# Allegro board MCU-V4.brd (continued)
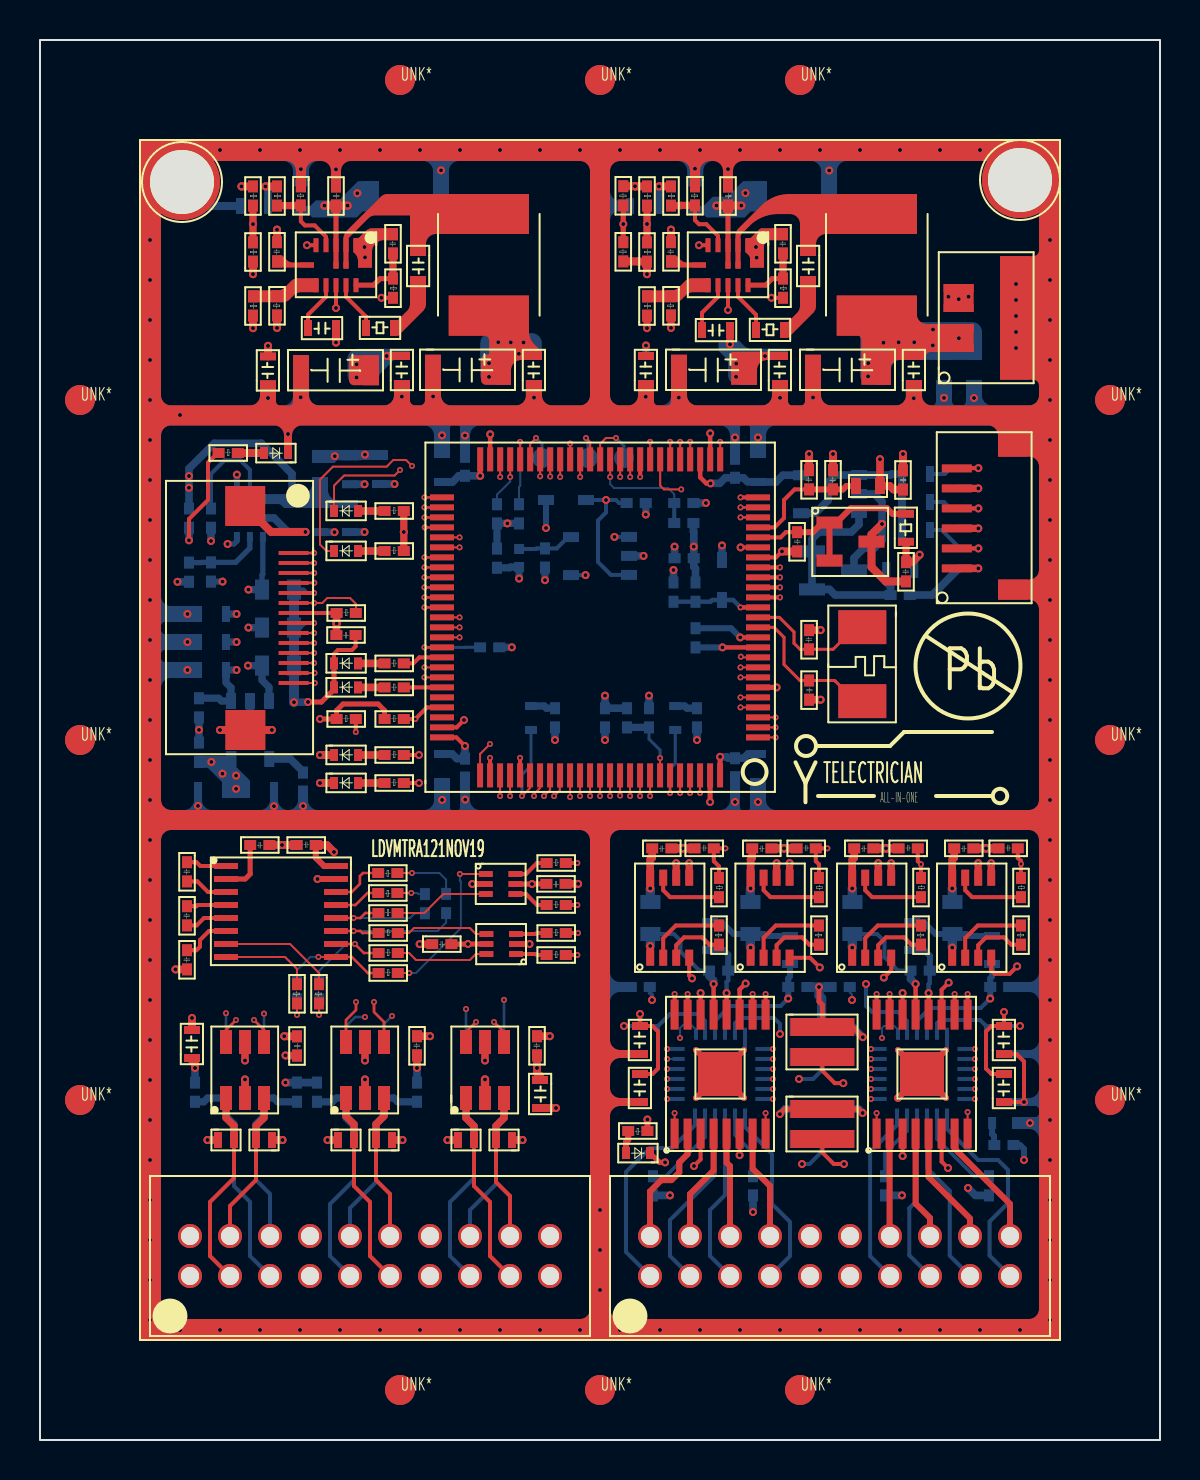
[diagram p0: board, top side]
## Routing (per net, layer and track width the routed paths; a pad name or vN(x,y) marks a point on that pad's centre or on a via; arc(x,y) is an arc through that point) (continued)
  BOTTOM w0.2: U26.20 v1(36.65,19.05)
SMTR1_I1: length 23.2
  TOP w0.1: U4.88 28,32.2 v1(28,32.2)
  SIGNAL-L3 w0.1: v1(36.65,18.55) 36.97,18.55 37.99,19.56 37.99,23.45 36.21,25.23 30.94,25.23 29.03,27.14 29.03,30.35 28,31.37 28,31.87 28,31.87 v1(28,32.2)
  BOTTOM w0.2: U26.21 v1(36.65,18.55)
SMTR1_M0: length 23.1
  TOP w0.1: U4.82 25,32.6 24.7,32.3 v1(24.7,32.2)
  SIGNAL-L3 w0.1: v1(31.35,17.55) 28.03,17.55 26.31,19.27 25.01,19.27 24.16,20.11 24.16,23.87 23.16,24.87 23.16,29.16 24.7,30.69 v1(24.7,32.2)
  BOTTOM w0.2: U26.8 v1(31.35,17.55)
SMTR1_M1: length 20.1
  TOP w0.1: v1(25.2,32.2) 25.5,32.5 U4.83
  SIGNAL-L3 w0.1: v1(25.2,32.2) 25.2,21.36 28.51,18.05 v1(31.35,18.05)
  BOTTOM w0.2: U26.9 v1(31.35,18.05)
SMTR1_NFAULT: length 28.2
  TOP w0.1: v1(24.1,32.2) 24.5,32.6 24.5,33.23 U4.81
  SIGNAL-L3 w0.1: v1(31.35,17.05) 27.32,17.05 26.69,17.69 24.64,17.69 23.65,18.67 23.65,23.57 22.6,24.62 22.6,29.21 24.1,30.72 v1(24.1,32.2)
  BOTTOM w0.15: D18.1 24.55,33.72 24.1,33.27 v1(24.1,32.2)
  BOTTOM w0.2: U26.7 v1(31.35,17.05)
SMTR1_NSLEEP: length 24.9
  TOP w0.1: v1(30,32.2) U4.92
  SIGNAL-L3 w0.1: v1(30,32.2) 30,31.36 30.74,30.62 30.74,28.27 32.73,26.29 37.08,26.29 39.57,23.79 39.57,18.9 38.23,17.55 v1(36.65,17.55)
  BOTTOM w0.2: U26.23 v1(36.65,17.55)
SMTR1_PWM: length 37.8
  TOP w0.2: U4.25 v1(35.02,47.13)
  SIGNAL-L3 w0.1: v1(35.02,47.13) 34.42,47.13 33.46,46.17 33.46,43.54 30.55,40.63 28.99,40.63 26.68,38.32 26.68,33.19 26.1,32.61 26.1,29.54 26.23,29.4 26.23,21.85 28.53,19.55 v1(31.35,19.55)
  BOTTOM w0.2: U26.12 v1(31.35,19.55)
SMTR1_TOFF_SEL: length 19.2
  TOP w0.1: v1(25.7,32.2) 25.99,32.48 25.99,33.22 U4.84
  SIGNAL-L3 w0.1: v1(31.35,18.55) 28.77,18.55 25.7,21.61 v1(25.7,32.2)
  BOTTOM w0.2: U26.10 v1(31.35,18.55)
SMTR2_ADEC: length 29.2
  TOP w0.1: U4.7 v1(35.02,38.13)
  SIGNAL-L7 w0.1: v1(46.75,19.55) 46.75,20.01 45.1,21.66 45.1,22.41 44.7,22.81 44.7,23.23 41.67,26.25 39.88,26.25 38.46,27.67 38.46,29.88 37.73,30.61 35.88,30.61 35.34,31.14 35.34,32.7 34.79,33.26 34,33.26 33.44,33.81 33.44,37.2 34.38,38.13 v1(35.02,38.13)
  BOTTOM w0.2: U25.19 v1(46.75,19.55)
SMTR2_DEC0: length 27.8
  TOP w0.1: U4.1 v1(36.78,35.13)
  SIGNAL-L7 w0.1: v1(36.78,35.13) 37.14,35.13 38.61,33.66 43.32,33.66 46.11,30.87 46.11,28.68 48,26.79 48,23.49 48.94,22.55 48.94,21.44 48.1,20.6 48.1,18.8 47.35,18.05 v1(46.75,18.05)
  BOTTOM w0.2: U25.22 v1(46.75,18.05)
SMTR2_DEC1: length 32.3
  TOP w0.1: U4.3 v1(36.78,36.13)
  SIGNAL-L7 w0.1: v1(36.78,36.13) 37.51,36.13 38.94,34.69 45.52,34.69 48.57,31.65 48.57,28.16 49.37,27.36 49.37,25.09 49.99,24.47 49.99,19.19 47.85,17.05 v1(46.75,17.05)
  BOTTOM w0.2: U25.24 v1(46.75,17.05)
SMTR2_DIR: length 26.9
  TOP w0.1: v1(35.02,38.63) U4.8
  SIGNAL-L7 w0.1: v1(35.02,38.63) 34,38.63 32.17,36.8 32.17,34.09 34.17,32.09 34.17,30.89 36.12,28.94 36.12,28.07 40.6,23.59 40.6,22.7 42.1,21.2 v1(42.1,20.1)
  BOTTOM w0.1: U25.13 42.9,20.51 42.71,20.7 42.2,20.7 42.1,20.6 v1(42.1,20.1)
SMTR2_I0: length 29
  TOP w0.1: U4.5 v1(35.02,37.13)
  SIGNAL-L7 w0.1: v1(46.75,19.05) 47.07,19.05 47.18,19.16 47.18,20.25 46.88,20.55 46.88,25.42 43.46,28.84 43.46,31.03 42.17,32.31 36.85,32.31 34.06,35.11 34.06,36.49 34.7,37.13 v1(35.02,37.13)
  BOTTOM w0.2: U25.20 v1(46.75,19.05)
SMTR2_I1: length 29.6
  TOP w0.1: U4.4 v1(35.02,36.63)
  SIGNAL-L7 w0.1: v1(35.02,36.63) 34.71,36.31 34.71,35.32 36.86,33.17 42.88,33.17 45.2,30.84 45.2,28.75 47.5,26.45 47.5,23.15 48.19,22.47 48.19,22.09 47.6,21.5 47.6,19 47.15,18.55 v1(46.75,18.55)
  BOTTOM w0.2: U25.21 v1(46.75,18.55)
SMTR2_M0: length 24.3
  TOP w0.1: U4.96 v1(32,32.35)
  SIGNAL-L7 w0.1: v1(32,32.35) 32,31.86 30.9,30.76 30.9,28.77 32.41,27.26 32.41,25.69 34.22,23.88 36.99,23.88 39.04,21.83 39.04,17.81 39.64,17.21 40.83,17.21 41.17,17.55 v1(41.55,17.55)
  BOTTOM w0.2: U25.8 v1(41.55,17.55)
SMTR2_M1: length 21.2
  TOP w0.1: U4.97 v1(32.5,32.35)
  SIGNAL-L7 w0.1: v1(32.5,32.35) 32.5,30.83 33.17,30.17 33.17,27.57 34.65,26.09 36.09,26.09 38.21,23.96 38.21,23.45 38.51,23.16 39.4,23.16 39.7,22.85 39.7,19.21 40.86,18.05 v1(41.55,18.05)
  BOTTOM w0.2: U25.9 v1(41.55,18.05)
SMTR2_NFAULT: length 28.5
  TOP w0.1: v1(31.5,32.35) U4.95
  SIGNAL-L7 w0.1: v1(31.5,32.35) 31.5,32.02 30.38,30.9 30.38,28.56 31.72,27.23 31.72,25.27 33.65,23.35 36.88,23.35 38.6,21.62 38.6,17.65 39.43,16.82 41.32,16.82 v1(41.55,17.05)
  BOTTOM w0.1: 31.76,35.55 D17.1
  BOTTOM w0.15: D17.1 31.76,33.82 31.5,33.56 31.5,32.69 31.5,32.68 v1(31.5,32.35)
  BOTTOM w0.2: U25.7 v1(41.55,17.05)
SMTR2_NSLEEP: length 30.3
  TOP w0.1: U4.2 v1(36.78,35.63)
  SIGNAL-L7 w0.1: v1(46.75,17.55) 47.65,17.55 48.65,18.55 48.65,19.48 49.52,20.36 49.52,24.17 48.75,24.94 48.75,26.95 48.06,27.64 48.06,30.77 44.6,34.22 38.77,34.22 37.36,35.63 v1(36.78,35.63)
  BOTTOM w0.2: U25.23 v1(46.75,17.55)
SMTR2_PWM: length 43.5
  TOP w0.1: U4.26 v1(34.01,49.91)
  SIGNAL-L3 w0.1: v1(34.01,49.91) 34.01,49.38 35.89,47.49 35.89,43.82 31.82,39.74 31.82,33.95 32.52,33.25 33.64,33.25 34.12,32.77 34.12,30.76 33.39,30.03 33.39,29.06 33.92,28.53 35.71,28.53 36.69,27.55 38.92,27.55 41.38,25.09 41.38,24.32 40.65,23.59 40.65,22.69 41.18,22.15 41.18,21.38 40.52,20.72 40.52,19.76 40.74,19.55 v1(41.55,19.55)
  BOTTOM w0.2: U25.12 v1(41.55,19.55)
SMTR2_TOFF_SEL: length 20
  TOP w0.1: U4.98 v1(33,32.35)
  SIGNAL-L7 w0.1: v1(41.55,18.55) 41.16,18.55 40.1,19.61 40.1,23.39 39.08,24.41 38.64,24.41 36.35,26.7 34.92,26.7 33.68,27.93 33.68,30.41 33,31.09 v1(33,32.35)
  BOTTOM w0.2: U25.10 v1(41.55,18.55)
STEP1A_DRV1: length 9.4
  BOTTOM w0.2: U26.1 35.25,15.65 36.6,14.3 36.6,11.8 37.5,10.9 37.5,9.2 J5.4
STEP1A_DRV2: length 8.8
  BOTTOM w0.2: J5.3 33.5,9.2 33.5,11.5 34.25,12.25 U26.3
STEP1B_DRV1: length 10.6
  BOTTOM w0.2: J5.1 29.3,9.4 29.3,13.4 30.49,14.59 31.6,14.59 32.75,15.74 U26.6
STEP1B_DRV2: length 9.4
  BOTTOM w0.2: U26.4 33.75,13.25 31.5,11 31.5,9.2 J5.2
STEP2A_DRV1: length 10.7
  BOTTOM w0.2: U25.1 45.35,15.55 46.9,14 47.9,14 48.4,13.5 48.4,11.84 47.48,10.92 47.48,9.22 J5.10
STEP2A_DRV2: length 9
  BOTTOM w0.2: U25.3 44.35,13.59 45.49,12.45 45.49,9.21 J5.9
STEP2B_DRV1: length 9
  BOTTOM w0.2: U25.6 42.85,15.74 41.51,14.4 41.51,9.19 J5.7
STEP2B_DRV2: length 8.7
  BOTTOM w0.2: J5.8 43.47,9.23 43.47,11.59 43.85,11.97 U25.4
SWCLK: length 14.6
  TOP w0.1: 12.68,37.85 v1(13.74,37.85) ; v1(22.5,34.8) 22,34.3 U4.76
  TOP w0.2: R26.1 v1(15.79,35.4)
  SIGNAL-L7 w0.1: v1(22.5,34.8) 21.9,35.4 v1(15.79,35.4) 15.46,35.4 15.3,35.56 15.3,37.5 14.95,37.85 v1(13.74,37.85)
SWDIO: length 9.8
  TOP w0.1: 12.68,38.35 v1(13.73,38.35)
  TOP w0.2: U4.72 19.35,36.63 v1(18.77,36.05) R27.1
  SIGNAL-L7 w0.1: v1(18.77,36.05) 18.77,37.03 17.45,38.35 v1(13.73,38.35)
TXD1: length 27.6
  TOP w0.1: R31.2 v1(18.6,28.35)
  SIGNAL-L3 w0.127: v1(18.6,28.35) 18.94,28.35 20.78,26.51 20.78,17.78 19.53,16.53 19.53,13.53 17.9,11.9 14.41,11.9 13.5,10.99 J4.17
  BOTTOM w0.1: v1(18.6,28.35) 19.97,28.35 20.31,28.01 R71.1
TXD2: length 18.5
  TOP w0.1: R49.2 v1(13.95,21.25)
  SIGNAL-L3 w0.127: J4.1 8.46,9.16 8.46,11.7 10.03,13.28 12.44,13.28 13.7,14.54 13.7,21 v1(13.95,21.25)
  BOTTOM w0.1: R75.1 13.96,21.27 v1(13.95,21.25)
VMTR: length 41
  TOP w0.22: U15.12 v2(34.33,22.35) ; U16.12 v2(44.43,22.35)
  TOP w0.3: R52.2 v2(30.37,16.03)
  PWR-L6 w0.38: v2(34.33,22.35) 34.33,22.86 34.6,23.14 34.6,23.29 34.98,23.67 37.01,23.67 37.78,24.43 39.52,24.43 40.11,23.84 44.32,23.84 44.7,23.47 44.7,22.61 v2(44.43,22.35)
  PWR-L6 w0.5: 33.9,15.27 31.13,15.27 v2(30.37,16.03) ; 33.9,15.27 33.9,21.07 34.33,21.5 v2(34.33,22.35) ; 33.9,15.27 35.8,15.27 36.61,14.47 36.61,12.93 37.61,11.92 37.61,11.09 J5.16
  BOTTOM w0.22: C111.1 44.49,22.84 44.43,22.78 v2(44.43,22.35) ; C112.1 34.41,22.98 34.33,22.9 v2(34.33,22.35)
  BOTTOM w0.3: C111.1 44.49,23.9 44.5,23.91 44.5,24.2 44.2,24.5 C107.1 ; C112.1 34.41,24.27 34.18,24.5 C108.1
VREF_2V5: length 10
  TOP w0.2: U4.21 37.03,45.13 37.29,45.39 C24.2
  TOP w0.3: U3.1 39.12,45.87 38.64,45.39 C24.2 ; U3.1 U3.2 ; U3.1 39.82,45.87 40.55,46.59 42.34,46.59 42.62,46.31 R21.2
VSMTR: length 45.1
  PWR-L6 w0.5: 46.74,15.3 48.02,16.58 48.02,19.82 47,20.84 47,21.56 v2(47.51,22.07) ; 46.74,15.3 42.01,15.3 41.59,14.88 ; 46.74,15.3 48.04,14 v2(49.2,14) ; 41.59,14.88 41.59,12.28 40.5,11.19 J5.15 ; 41.59,14.88 40.56,14.88 38.93,16.51 38.93,20.55 v2(37.41,22.07)
  BOTTOM w0.2: U26.15 33.75,20.95 34.5,21.7 37.04,21.7 v2(37.41,22.07) ; U25.15 43.85,20.95 44.5,21.6 47.04,21.6 v2(47.51,22.07)
  BOTTOM w0.3: v2(49.2,14) 49.2,14.55 49,14.75 R83.2 ; C110.1 37.5,23.17 37.41,23.08 C114.1 v2(37.41,22.07) ; C109.1 47.6,23.17 47.51,23.08 C113.1 v2(47.51,22.07)
N01539: length 14.3
  TOP w0.2: C44.2 30.63,20.7 30.9,20.43 30.9,18.57 30.63,18.3 C50.2
  TOP w0.22: U15.14 v2(33.03,22.35) ; v2(35.28,22.83) 34.98,22.52 U15.11 ; C44.2 v2(30,21.3)
  SIGNAL-L4 w0.2: v2(35.28,22.83) 34.98,22.52 34.98,21.86 34.67,21.55 33.04,21.55 ; v2(30,21.3) 32.78,21.3 33.04,21.55 ; 33.04,21.55 33.03,21.56 v2(33.03,22.35)
N02684: length 21.5
  TOP w0.2: U15.3 33.03,14.03 v2(32.7,13.7) ; U8.4 38.5,24.11 v2(38.99,23.63)
  SIGNAL-L8 w0.2: v2(32.7,13.7) 33.2,13.2 36.3,13.2 37.95,14.85 v2(37.95,18.05) 37.91,18.09 37.91,18.67 39.78,20.55 39.78,22.84 v2(38.99,23.63)
  BOTTOM w0.2: R77.2 39.08,18.47 38.66,18.05 v2(37.95,18.05)
N02906: length 28.5
  TOP w0.2: v2(32.6,23.08) 32.46,23.22 U7.4 ; U15.6 v2(34.98,14.24)
  SIGNAL-L3 w0.2: v2(34.98,14.24) 35.42,13.8 v2(38.1,13.8)
  SIGNAL-L7 w0.2: v2(34.98,14.24) 33.63,12.89 28.7,12.89 27.75,13.84 27.75,21.2 29.02,22.47 29.98,22.47 30.59,23.08 v2(32.6,23.08)
  BOTTOM w0.2: v2(38.1,13.8) 38.48,13.8 39.08,14.4 R82.2
N04940: length 1.3
  TOP w0.38: D2.2 R20.2
N07800: length 4
  TOP w0.2: U7.2 31.16,25.09 31.79,25.72 R41.1
N07815: length 3.1
  TOP w0.2: U7.3 31.81,24.74 32.2,25.13 33.1,25.13 33.47,24.76 R41.2
N08892: length 4
  TOP w0.2: R42.1 36.79,25.72 36.18,25.11 U8.2
N08904: length 3.1
  TOP w0.2: R42.2 38.47,24.76 38.1,25.13 37.22,25.13 36.83,24.74 U8.3
N10404: length 3.5
  TOP w0.2: U8.7 36.18,27.49 36.52,27.14 R33.1
N11136: length 3.6
  TOP w0.2: R32.1 31.5,27.14 31.16,27.49 U7.7
N27735: length 16
  TOP w0.2: v2(45.43,22.87) 45.08,22.51 U16.11 ; v2(48.2,21.4) C45.2 47.57,20.7 47.3,20.43 47.3,18.57 47.57,18.3 C51.2 ; v2(43.13,22.35) U16.14
  SIGNAL-L3 w0.2: 46.12,23.55 47.35,23.55 48.2,22.7 v2(48.2,21.4) ; 46.12,23.55 v2(45.43,22.87) ; 46.12,23.55 43.55,23.55 43.13,23.13 v2(43.13,22.35)
N27979: length 23.1
  TOP w0.2: v2(48.85,23.68) 48.48,23.31 47.74,23.31 47.56,23.49 U10.4 ; U16.3 v2(43.13,14.2) ; v2(40.2,13.8) 39.69,13.8 39.12,14.37 R51.2
  SIGNAL-L3 w0.2: v2(40.2,13.8) 42.73,13.8 v2(43.13,14.2)
  SIGNAL-L4 w0.2: v2(43.13,14.2) 46.88,14.2 48.07,15.38 48.07,17.62 49.66,19.21 49.66,22.88 v2(48.85,23.68)
N28117: length 22.6
  TOP w0.2: v2(42.19,23.12) 42.56,23.49 U9.4 ; v2(45.4,13.6) 45.08,13.92 U16.6 ; v2(40.17,17.84) 39.74,17.84 39.12,18.46 R50.2
  SIGNAL-L4 w0.2: v2(40.17,17.84) 40.2,17.87 40.2,18.45 39.4,19.25 39.4,22.67 40.24,23.51 41.8,23.51 v2(42.19,23.12)
  SIGNAL-L8 w0.2: v2(40.17,17.84) 40.17,14.73 41.7,13.2 45,13.2 v2(45.4,13.6)
N28299: length 4
  TOP w0.2: U9.2 41.26,25.09 41.89,25.72 R43.1
N28303: length 3.1
  TOP w0.2: U9.3 41.91,24.74 42.3,25.13 43.2,25.13 43.57,24.76 R43.2
N28307: length 4
  TOP w0.2: U10.2 46.26,25.09 46.89,25.72 R44.1
N28311: length 3.1
  TOP w0.2: U10.3 46.91,24.74 47.3,25.13 48.2,25.13 48.57,24.76 R44.2
N28637: length 1.3
  TOP w0.38: R22.2 D3.2
N28731: length 3.6
  TOP w0.2: U9.7 41.26,27.49 41.6,27.14 R34.1
N28759: length 3.6
  TOP w0.2: U10.7 46.26,27.49 46.6,27.14 R35.1
N30927: length 3.5
  BOTTOM w0.18: R86.1 35.65,14.35 34.75,15.25 U26.2
N30933: length 4.5
  BOTTOM w0.18: R87.1 31.29,13.19 33.25,15.15 U26.5
N33222: length 20.1
  SIGNAL-L8 w0.2: v2(29.2,20.7) 29.5,20.4 31.05,20.4 31.59,20.94 33.34,20.94 33.98,20.3 v2(37,20.3)
  BOTTOM w0.2: 30.9,20.7 31.5,21.3 32.9,21.3 33.25,20.95 U26.14 ; 30.9,20.7 30.9,18.57 30.63,18.3 C122.1 ; 30.9,20.7 C116.1 v2(29.2,20.7) ; v2(37,20.3) 37,20.8 36.7,21.1 35.01,21.1 34.75,20.84 U26.17
N38076: length 8.2
  SIGNAL-L4 w0.1: v1(31.35,19.05) 29.21,19.05 28.6,19.66 28.6,21.22 29.38,22 v2(30.6,22)
  BOTTOM w0.1: v1(31.35,19.05) U26.11
  BOTTOM w0.2: R74.1 30.49,22.37 30.6,22.26 v2(30.6,22)
N39890: length 1.2
  BOTTOM w0.36: D18.2 25.21,36.7 25.32,36.59 R70.1
N41862: length 21.8
  SIGNAL-L4 w0.2: v2(41.3,22.8) 41.3,22.37 41.17,22.25 41.17,21.54 41.68,21.03 45.73,21.03 46.36,20.4 48.7,20.4 v2(49,20.7)
  BOTTOM w0.2: v2(41.3,22.8) 41.3,21.7 41.6,21.4 42.9,21.4 43.35,20.95 U25.14 ; C121.1 47.57,18.3 47.3,18.57 47.3,20.7 ; v2(49,20.7) C115.1 47.3,20.7 ; 47.3,20.7 47,21 45.01,21 44.85,20.84 U25.17
N42130: length 4.6
  BOTTOM w0.18: U25.2 44.85,15.05 46.7,13.2 47.01,13.2 47.02,13.19 R84.1
N42224: length 3.5
  BOTTOM w0.18: R85.1 42.25,14.35 43.35,15.45 U25.5
N42300: length 5
  SIGNAL-L4 w0.1: v1(41.55,19.05) 41.05,19.05 40.33,19.77 40.33,21.73 v2(40.6,22)
  BOTTOM w0.1: v2(40.6,22) 40.6,22.27 40.49,22.38 R73.1
  BOTTOM w0.2: U25.11 v1(41.55,19.05)
N42416: length 1.1
  BOTTOM w0.36: R67.1 32.35,36.59 32.24,36.7 D17.2
N50111: length 23.5
  TOP w0.26: R9.1 v2(29.16,60.8) R4.2
  SIGNAL-L3 w0.2: v2(29.16,60.8) 27.94,59.58 27.94,47.81 28.3,47.45 v2(28.3,47)
  BOTTOM w0.2: D15.1 v2(28.3,47) ; v2(28.3,47) 28.3,46.38 27.9,45.98 27.9,43.9 28.55,43.25 U19.3 ; v2(28.3,47) 28.8,47 28.95,46.85 C76.2
N52095: length 2.8
  BOTTOM w0.2: U19.5 26.4,45.14 25.84,44.58 C80.1 24.82,44.58 24.79,44.55 L5.1
N57048: length 11.1
  BOTTOM w0.38: U17.3 40.95,45.78 40.57,45.4 38.95,45.4 38.6,45.05 U20.2 U20.1 39.48,42.53 39.76,42.25 C85.2 42.53,42.67 42.31,42.89 R62.2
N57288: length 9.2
  BOTTOM w0.38: R61.1 R54.1 R53.1 42.58,48.3 42.53,48.25 U17.1 39.78,48.25 39.4,47.87 39.4,46.97 38.77,46.34 U17.4
N4905822: length 2
  BOTTOM w0.38: U21.4 12.52,34.05 13.15,33.42 C99.2
N7119824: length 2
  TOP w0.2: U6.1 8.02,28.7 7.83,28.89 C39.1
N7119928: length 2
  TOP w0.2: C41.1 7.83,26.69 7.89,26.75 U6.4
N7119940: length 2.8
  TOP w0.25: C29.1 10.51,28.3 10.26,28.05 U6.2
N7119964: length 2.2
  TOP w0.2: C39.2 7.87,27.93 8.4,27.4 U6.3
N7119992: length 2.5
  TOP w0.2: U6.6 8.45,25.45 8,25 8,24.66 7.83,24.49 C43.1
N7120000: length 2.1
  TOP w0.2: C41.2 7.83,25.73 8.2,26.1 U6.5
N7132397: length 2.7
  TOP w0.127: R31.1 16.15,28.35 15.99,28.19 15.99,27.8 15.59,27.4 U6.14
N7132401: length 5.8
  TOP w0.1: R49.1 13.95,23.35 12.5,24.8 U6.7
N7132405: length 2.4
  TOP w0.127: U6.13 15.77,26.75 16.37,27.35 R36.1
N7132409: length 4.6
  TOP w0.1: R48.1 12.85,23.55 12.25,24.15 U6.8
N7303093: length 7.5
  TOP w0.127: R39.2 16.12,25.35 16.02,25.45 v1(15.68,25.45) U6.11
  BOTTOM w0.1: R71.2 20.31,25.87 19.89,25.45 v1(15.68,25.45)
N7303131: length 5.1
  TOP w0.127: R45.2 16.2,24.35 v1(15.74,24.8) U6.10
  BOTTOM w0.1: v1(15.74,24.8) 15.3,24.8 13.96,23.47 R75.2
N7303158: length 5.9
  TOP w0.127: R38.2 16.27,26.35 16.02,26.1 v1(15.68,26.1) U6.12
  BOTTOM w0.1: v1(15.68,26.1) 18.5,26.1 18.74,26.34 R72.1
N7303185: length 5.2
  TOP w0.1: v1(13.92,24.15) 14.8,24.15 U6.9
  TOP w0.127: U6.9 15.59,24.15 16.39,23.35 R47.2
  BOTTOM w0.1: R76.1 12.84,23.49 13.51,24.15 v1(13.92,24.15)
N7362382: length 1.3
  TOP w0.4: R19.1 D1.2
N7767499: length 2.9
  TOP w0.1: U4.38 28.01,49.81 28.3,50.1 v1(28.8,50.1)
  BOTTOM w0.15: TP5.1 29.2,49.7 v1(28.8,50.1)
N7936310: length 1.3
  TOP w0.38: R25.2 D5.2
N7936621: length 1.3
  TOP w0.38: R24.2 D4.2
N7936920: length 1.3
  TOP w0.38: D6.2 R28.2
N7937230: length 1.3
  TOP w0.38: D7.2 R29.2
N8000304: length 2.3
  TOP w0.1: U4.45 24.51,49.81 v1(24.8,50.1)
  BOTTOM w0.15: v1(24.8,50.1) 25.1,49.8 TP6.1
N8000357: length 2.2
  TOP w0.1: v1(27.3,50.1) 27.51,49.89 U4.39
  BOTTOM w0.15: TP7.1 27.4,50 v1(27.3,50.1)
N8196940: length 4
  TOP w0.2: R3.2 13.04,60.93 13.24,60.73 13.73,60.73 14.3,60.16 U1.4
  TOP w0.36: R3.2 12.62,61.73 12.61,61.72 R2.1
N8196944: length 10.1
  TOP w0.2: 10.65,61.81 R1.1 ; 10.65,59.87 R8.2 ; U1.9 v2(14.8,56.6)
  TOP w0.36: R1.1 v2(10.65,60.8) R8.2
  SIGNAL-L3 w0.2: v2(14.8,56.6) 12.87,56.6 12,57.47 12,58.56 10.65,59.91 v2(10.65,60.8)
N8196950: length 3.2
  TOP w0.25: U1.11 16.68,57.74 17.01,58.07 R11.2
  TOP w0.36: C3.2 R11.2
N8196956: length 7.7
  TOP w0.2: v2(13.35,59.74) U1.5 ; R11.1 v2(17.07,57.11)
  SIGNAL-L4 w0.2: v2(13.35,59.74) 12.74,59.14 12.74,58.06 13.69,57.11 v2(17.07,57.11)
N8197004: length 2.6
  TOP w0.2: R17.1 16.3,56.16 15.3,57.16 U1.10
N8197022: length 2.5
  TOP w0.2: C9.2 13.4,56.26 14.3,57.16 U1.8
N8197074: length 2.6
  TOP w0.2: R18.1 35.8,56.26 34.9,57.16 U2.10
N8197146: length 3.9
  TOP w0.2: U2.4 33.9,60.2 33.31,60.79 32.95,60.79 32.75,60.99 R7.2
  TOP w0.36: R7.2 32.04,61.73 32.03,61.72 R6.1
N8197148: length 10.1
  TOP w0.2: U2.9 v2(34.4,56.5)
  TOP w0.36: R10.2 v2(30.35,60.8) R5.1
  SIGNAL-L3 w0.2: v2(30.35,60.8) 30.35,60.31 31.91,58.75 31.91,57.15 32.56,56.5 v2(34.4,56.5)
N8197154: length 2.6
  TOP w0.2: U2.8 33.9,57.16 33.1,56.36 C10.2
N8197176: length 3.1
  TOP w0.25: R12.2 36.61,58.07 36.28,57.74 U2.11
  TOP w0.36: C4.2 R12.2
N8197194: length 7.5
  TOP w0.2: v2(32.95,59.74) U2.5 ; R12.1 v2(36.57,57.11)
  SIGNAL-L4 w0.2: v2(36.57,57.11) 33.13,57.11 32.6,57.64 32.6,59.39 v2(32.95,59.74)
N8449814: length 5.6
  BOTTOM w0.2: R58.2 8.55,48.3 9.23,48.98 10.02,48.98 10.49,48.51 U18.5
N8449940: length 3.9
  BOTTOM w0.26: R64.2 8.06,43.87 8.07,43.88 R63.1 9.78,43.88 10.49,44.59 U18.2
N8934237: length 1.1
  BOTTOM w0.3: D19.2 47.6,15.3 47.7,15.2 47.7,14.77 47.72,14.75
N9041352: length 1.1
  TOP w0.3: D14.2 29.3,14.9 29.41,15.01 R52.1
N9050029: length 1.6
  TOP w0.2: R40.2 24.85,25.35 24.8,25.3 U11.3
N9050033: length 4.7
  TOP w0.1: U11.4 21.79,25.3 21.49,25.6 18.7,25.6 18.45,25.35 R39.1
N9050041: length 1.6
  TOP w0.2: R46.2 24.85,24.25 24.8,24.3 U11.1
N9050045: length 4.7
  TOP w0.1: U11.6 21.79,24.3 21.49,24 18.8,24 18.45,24.35 R45.1
N9050708: length 1.8
  TOP w0.2: R37.2 24.85,26.75 24.3,27.3 U5.4
N9050712: length 4.8
  TOP w0.1: R38.1 19.21,26.35 20.16,27.3 U5.3
N9050720: length 1.8
  TOP w0.2: U5.6 24.3,28.3 24.85,28.85 R30.2
N9050724: length 8.1
  TOP w0.1: v1(20.99,28.3) U5.1 ; R47.1 v1(18.47,23.35)
  BOTTOM w0.1: v1(20.99,28.3) 20.99,27.97 21.04,27.92 21.04,25.6 18.8,23.35 v1(18.47,23.35)

## Copper pours and planes (outline as drawn; the poured copper is in the pictures)
3V3_MCU on BOTTOM (solid shape): 9.81,33.65 10.5,32.96 10.5,32.1 9.1,32.1 9.1,32.9 8.39,33.61 7.7,33.61 7.7,34.21 9.31,34.21 9.31,34.45 9.81,34.45
3V3_MCU on PWR-L6: 27.5,31.5 49.6,31.5 49.95,31.85 49.95,50.45 49.67,50.73 18.8,50.73 18.8,48 18.13,47.33 13.98,47.33 13.12,46.47 13.12,35.41 12.3,34.6 7.1,34.6 7.1,34.6 6.05,34.6 6.05,6.47 6.29,6.24 6.96,6.24 7.15,6.05 27.5,6.05
5V5_MCU_IN on BOTTOM (solid shape): 14.4,47.49 14.55,47.14 14.9,46.99 15.9,46.99 15.9,46.6 12.28,46.6 12.21,46.62 12.14,46.66 12.06,46.74 12,46.78 11.92,46.8 10.99,46.8 10.99,47.3 13.1,47.3 13.45,47.44 13.6,47.8 13.6,48.15 14.4,48.15
5V5_MCU_PWR on TOP (solid shape): 24.44,55.47 24.52,55.09 24.73,54.77 25.1,54.4 25.1,54 24.05,54 23.7,53.85 23.55,53.5 23.55,52.76 22.3,52.76 22.12,52.83 22.05,53.01 22.05,54.01 22.12,54.19 22.3,54.26 22.36,54.26 22.43,54.29 22.46,54.36 22.46,54.97 22.39,55.15 22.21,55.22 20.91,55.22 20.44,55.22 20.44,57.22 24.44,57.22
5V5_MCU_PWR on BOTTOM (solid shape): 17.4,49 16.11,49 16.1,48.99 14.87,48.99 14.73,48.85 13.6,48.85 13.6,49.5 17.4,49.5
5V5_MCU_PWR on BOTTOM (solid shape): 18.29,54.56 18.43,54.5 18.49,54.36 18.49,54 17.77,54 17.7,53.99 17.63,53.94 17.01,53.32 16.97,53.26 16.95,53.18 16.95,52.75 15.88,52.75 15.52,52.9 15.38,53.25 15.38,54.06 15.52,54.41 15.88,54.56
5V5_MCU_PWR on BOTTOM (solid shape): 24.59,55.34 24.94,55.19 25.09,54.84 25.09,54 24.05,54 23.7,53.85 23.55,53.5 23.55,52.75 22.51,52.75 22.16,52.9 22.01,53.25 22.01,54.84 22.16,55.19 22.51,55.34
5V5_MCU_PWR on PWR-L6: 14.01,51.2 14.01,48.99 14.16,48.84 16.72,48.84 16.84,48.96 16.84,52.06 17.22,52.44 24.72,52.44 25.3,53.02 25.3,56.09 24.74,56.66 6.05,56.66 6.05,52.09 6.41,51.73 13.48,51.73
5V_MCU on PWR-L6: 29.2,29.73 29.2,26.01 29.64,25.57 49.31,25.57 49.6,25.86 49.6,29.8 49.2,30.2 29.67,30.2
5V_MCU on PWR-L6: 11.7,36.9 11.93,37.13 11.93,45.77 11.7,46 6.5,46 6.31,46 6.05,45.74 6.05,37.15 6.3,36.9
12V_MTR on TOP (solid shape): 37.4,54 36.35,54 36,53.85 35.85,53.5 35.85,52.76 34.55,52.76 34.55,54.4 37.4,54.4
12V_MTR on TOP (solid shape): 43.84,56.3 43.99,55.95 44.34,55.8 46.68,55.8 46.68,54.4 44.5,54.4 44.36,54.34 44.24,54.06 44.1,54 42.8,54 42.55,53.75 42.55,52.76 41.07,52.76 41.07,55.02 41.01,55.16 40.87,55.22 39.84,55.22 39.84,57.22 43.84,57.22
12V_MTR on BOTTOM (solid shape): 46.6,55.89 46.95,55.75 47.1,55.39 47.1,54 43.05,54 42.7,53.86 42.55,53.5 42.55,52.75 41.5,52.75 41.15,52.9 41,53.25 41,55.39 41.15,55.75 41.5,55.89
12V_MTR on BOTTOM (solid shape): 34.85,54.99 34.92,54.97 34.99,54.93 35.21,54.71 35.37,54.6 35.56,54.56 37.25,54.56 37.35,54.52 37.4,54.41 37.4,54 36.05,54 35.91,53.94 35.85,53.8 35.85,52.75 34.91,52.75 34.55,52.9 34.41,53.25 34.41,53.78 34.37,53.97 34.26,54.13 33.99,54.4 33.94,54.47 33.93,54.54 33.93,54.79 33.99,54.93 34.13,54.99
12V_MTR on PWR-L6: 29.47,54.89 29.47,53.08 29.76,52.79 49.73,52.79 49.95,53.01 49.95,55.32 49.2,56.07 31.11,56.07 30.89,55.84 30.89,55.21 30.79,55.11 29.69,55.11
GND on TOP (solid shape): 46.68,56.4 45.18,56.4 45.18,57.8 46.68,57.8
GND on TOP (solid shape): 37.4,59.99 36.5,59.99 36.42,59.97 36.36,59.93 36.26,59.83 36.22,59.77 36.2,59.69 36.2,58.62 35.5,58.62 35.5,59.08 35.48,59.16 35.44,59.22 35.27,59.39 35.27,60.09 35.44,60.09 35.52,60.11 35.58,60.15 35.97,60.53 36.03,60.57 36.11,60.59 37.4,60.59
GND on TOP (solid shape): 17.9,59.99 17.17,59.99 16.98,59.95 16.82,59.84 16.75,59.77 16.64,59.61 16.6,59.42 16.6,58.62 15.9,58.62 15.9,58.96 15.86,59.15 15.75,59.31 15.68,59.39 15.68,60.09 15.84,60.09 15.92,60.11 15.98,60.15 16.28,60.44 16.44,60.55 16.63,60.59 17.9,60.59
GND on TOP (solid shape): outline of 822 points within 5.05,5.05 50.95,64.95
GND on BOTTOM (solid shape): outline of 1241 points within 5.05,5.05 50.95,64.95
GND on GND-L2, GND-L5, GND-L9: 5.05,64.95 50.95,64.95 50.95,5.05 5.05,5.05
VBAT_IN on TOP (solid shape): 15.05,61.42 14.93,61.3 14.93,58.58 14.68,58.58 14.68,61.29 14.55,61.42 14.55,62.02 15.05,62.02
VBAT_IN on TOP (solid shape): 34.65,61.42 34.58,61.35 34.54,61.29 34.52,61.21 34.52,58.58 34.27,58.58 34.27,61.21 34.26,61.29 34.22,61.35 34.15,61.42 34.15,62.02 34.65,62.02
VBAT_IN on BOTTOM (solid shape): 16.95,61.44 16.15,61.44 15.84,61.13 13.61,61.13 13.45,61.29 12.65,61.29 12.65,61.69 13.51,61.69 13.8,61.98 14.94,61.98 15.9,62.94 16.95,62.94
VBAT_IN on BOTTOM (solid shape): 36.35,61.44 35.55,61.44 35.24,61.13 33.32,61.13 33.16,61.29 32.36,61.29 32.36,61.69 33.16,61.69 33.64,62.16 34.37,62.16 35.15,62.94 36.35,62.94
VBAT_IN on PWR-L6: 12.05,63.2 12.84,62.4 14.93,62.4 15.71,63.18 19.14,63.18 19.55,62.77 20.68,62.77 21.09,63.18 31.62,63.18 32.15,62.65 34.56,62.65 34.97,63.07 36.35,63.07 36.65,62.77 36.65,61.26 36.31,60.92 32.58,60.92 31.89,61.61 16.78,61.61 16.08,60.91 12.85,60.91 11.79,61.97 10.22,61.97 9.8,62.39 9.8,62.8 10.19,63.2
N8196998 on TOP (solid shape): 12.31,59.02 12.47,58.91 12.66,58.88 13.7,58.88 13.7,58.62 11.6,58.62 11.6,59.23 12.1,59.23
N8197008 on TOP (solid shape): 24.44,60.3 19.8,60.3 19.45,60.15 19.3,59.8 19.3,59.2 18.5,59.2 18.5,61.23 16.77,61.23 16.58,61.19 16.42,61.08 15.43,60.1 15.43,60.08 15.43,58.58 15.18,58.58 15.18,60.09 15.21,60.28 15.32,60.44 17.03,62.15 17.19,62.26 17.39,62.3 24.44,62.3
N8197018 on TOP (solid shape): 19.3,56.81 19.26,56.62 19.15,56.45 17.9,55.2 17.5,55.2 17.5,56 17.9,56 18.35,56.45 18.46,56.62 18.5,56.81 18.5,58.2 19.3,58.2
N8197032 on TOP (solid shape): 13.93,57.39 13.05,57.39 12.86,57.35 12.69,57.24 12.49,57.04 12.32,56.93 12.13,56.89 10.4,56.89 10.4,57.48 11.89,57.48 12.08,57.52 12.24,57.63 12.55,57.94 12.72,58.05 12.91,58.09 13.93,58.09
N8197078 on TOP (solid shape): 38.8,56.71 38.76,56.52 38.65,56.35 37.4,55.1 37,55.1 37,55.9 37.4,55.9 37.85,56.35 37.96,56.52 38,56.71 38,58.2 38.8,58.2
N8197098 on TOP (solid shape): 43.84,60.3 39.3,60.3 38.95,60.15 38.8,59.8 38.8,59.2 38,59.2 38,60.8 37.85,61.15 37.5,61.3 36.9,61.3 36.13,61.14 35.48,60.71 35.1,60.33 35.04,60.25 35.02,60.15 35.02,58.58 34.77,58.58 34.77,60.22 34.81,60.41 34.92,60.58 36.06,61.71 36.71,62.15 37.47,62.3 43.84,62.3
N8197166 on TOP (solid shape): 33.52,57.39 32.65,57.39 32.46,57.35 32.29,57.24 32.09,57.04 31.92,56.93 31.73,56.89 30.1,56.89 30.1,57.48 31.58,57.48 31.77,57.52 31.94,57.63 32.25,57.94 32.42,58.05 32.61,58.09 33.52,58.09
N8197182 on TOP (solid shape): 32.01,59.02 32.17,58.91 32.36,58.88 33.3,58.88 33.3,58.62 31.3,58.62 31.3,59.23 31.8,59.23
5V5_MCU_IN on PWR-L6 (solid shape): 10.44,48.82 10.59,48.76 10.64,48.62 10.64,47 10.59,46.86 10.44,46.8 7.05,46.8 6.91,46.86 6.86,47 6.86,48.62 6.91,48.76 7.05,48.82
5V5_MCU_PWR on TOP (solid shape): 16.95,52.74 15.7,52.74 15.52,52.81 15.45,52.99 15.45,53.99 15.52,54.17 15.7,54.24 16.95,54.24

## Text on the board
